# Altium PCB PCB_3U_DDS.PcbDoc (part 4 of 12)
Units mil, origin at the board's own origin, x right, y up, seen from the top; angles counter-clockwise.
Board outline 6338.37 x 3937 mil, 6 copper layers (L1, P2, L3, L4, P5, L6), stack 64.885 mil thick; 954 components, 537 nets, 3358 pads, 2342 vias.
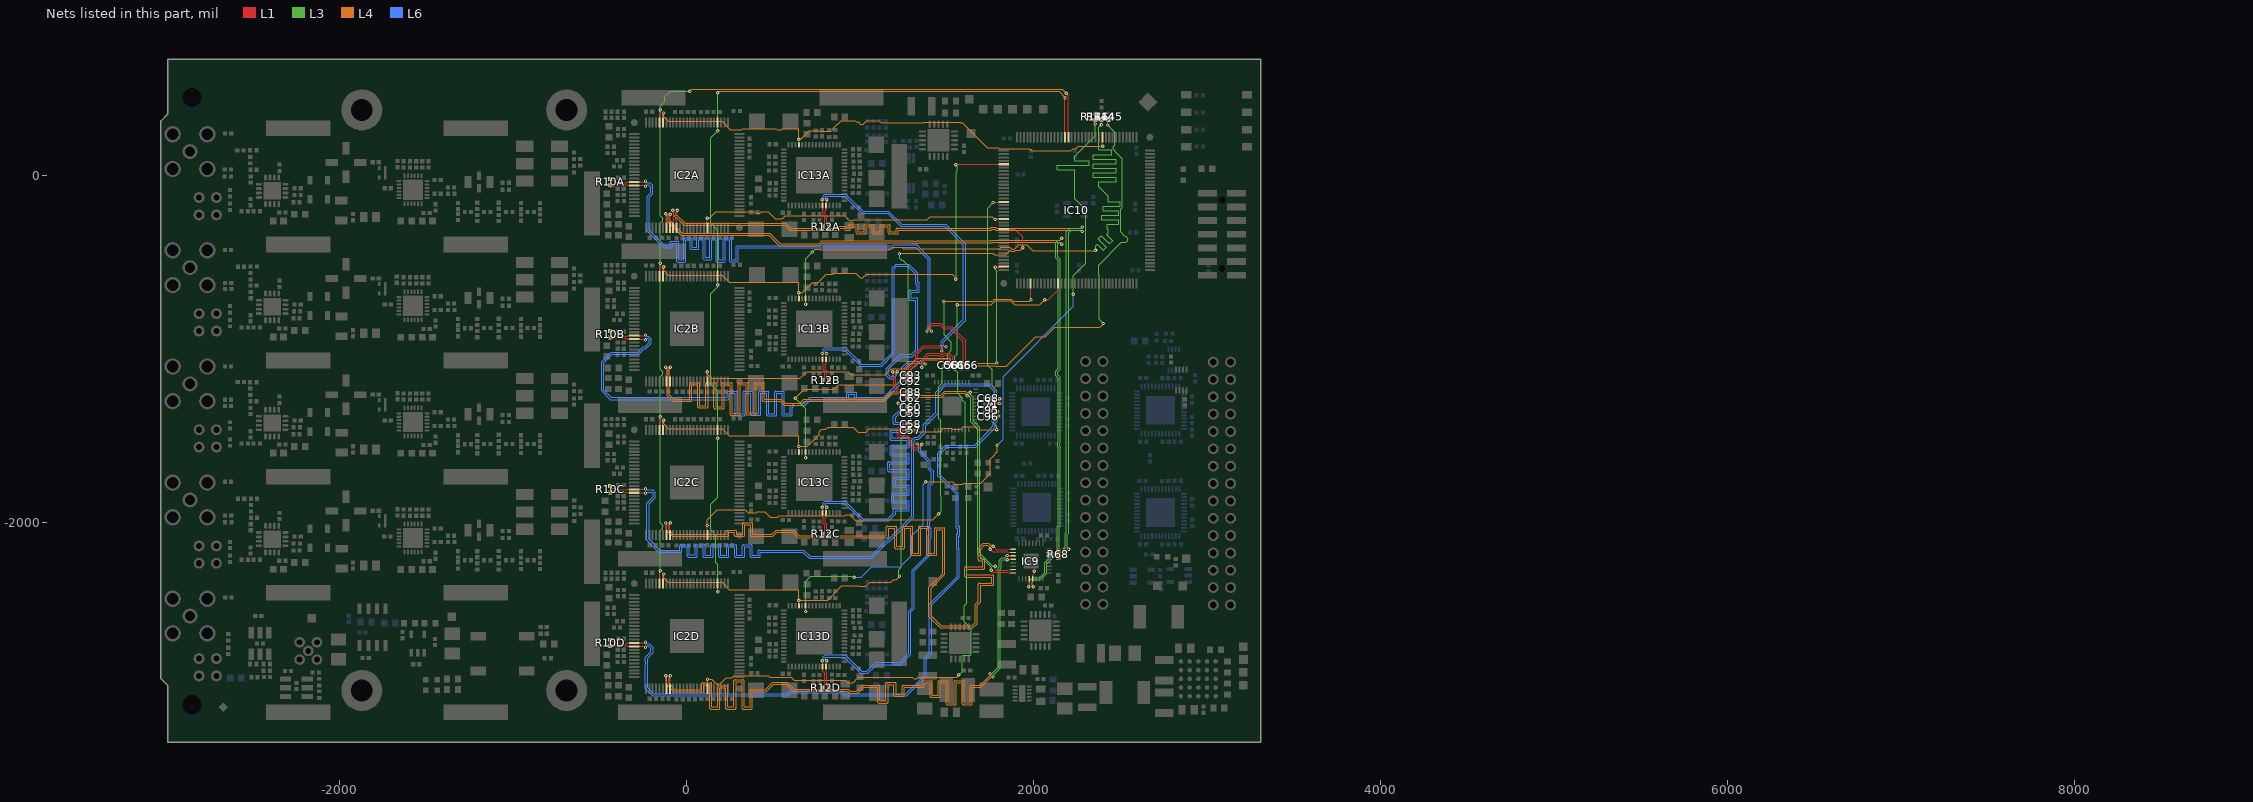
[diagram p8: the nets of this part, all layers, seen from the top]

## Via types
v1: diameter 19.68, hole 7.87, L1 to L6, tented both sides, 2254 vias
v2: diameter 23.62, hole 11.81, L1 to L6, tented both sides, 88 vias

## Nets (pads, with @x,y where several pads share a name; then routed paths per layer and width w, separated by ;. In a path a pad name is that pad's centre, name@x,y a point inside that pad or via, vN(x,y) a via of type N, cw(c..) or ccw(c..) an arc to the next point about the centre after c; other vN are vias at no path point) (continued)
DDR_RESET1: IC13B.59 R144.1 | length 4552.1
  L1 w5.98: v1(684.33,-743.89) 684.65,-743.57 IC13B.59@684.65,-710.63 ; v1(2390,291) R144.1@2390,318.5
  L3 w5.98: v1@684.33,-748.67 v1(684.33,-743.89) 684.33,-482.67 723,-444 v1(723,-443) ; v1(2356,-434) 2356,-407 2364.69,-398.31 2399.42,-433.04 2417.79,-414.66 2383.07,-379.93 2370.53,-367.39 2388.9,-349.02 2401.44,-361.56 2436.17,-396.29 2454.54,-377.92 2419.81,-343.19 2429,-334 2429,-308.9 2423.35,-308.9 2423.35,-282.91 2429,-282.91 2490.02,-282.91 2490.02,-256.93 2429,-256.93 2392.25,-256.93 2392.25,-230.95 2429,-230.95 2490.02,-230.95 2490.02,-204.96 2429,-204.96 2399.72,-204.96 2399.72,-178.98 2429,-178.98 2499.02,-178.98 2499.02,-152.99 2429,-152.99 2429,-140 2429,-121 2374,-66 2374,-62.87 2374,-36.88 2474,-36.88 2474,-10.9 2374,-10.9 2341.97,-10.9 2341.97,15.09 2374,15.09 2474,15.09 2474,41.07 2374,41.07 2341.97,41.07 2341.97,67.05 2374,67.05 2474,67.05 2474,93.04 2374,93.04 2341.97,93.04 2341.97,119.02 2374,119.02 2448.41,119.02 2448.41,145.01 2374,145.01 2374,158 2374,275 v1(2390,291)
  L4 w5.98: v1(723,-443) 739.27,-426.73 766.39,-426.73 768.65,-429 1162.73,-429 1165,-426.73 1176.27,-426.73 1188,-415 1239,-415 1248,-424 1763.03,-424 1763.86,-423.17 1792.16,-423.17 1792.99,-424 1804,-424 1812,-416 1861.15,-416 1872.53,-427.39 1887.31,-427.39 1913.14,-401.56 1960.56,-401.56 1994,-435 2356,-435 v1(2356,-434)
DDR_RESET2: IC13C.59 R145.1 | length 3725.4
  L1 w5.98: v1(684.33,-1629.72) 684.65,-1629.4 IC13C.59@684.65,-1596.46 ; v1(2426,289) R145.1@2426,318.5
  L3 w5.98: v1(625,-1286) 684.33,-1345.33 v1(684.33,-1629.72) ; v1(2400,-855) 2377,-832 2377,-577.52 2373.9,-574.42 2373.9,-519.1 2504.99,-388.01 2531.01,-388.01 2541.45,-377.57 2541.45,-362.79 2531.01,-352.35 2526.35,-352.35 2522.65,-348.65 2522.14,-348.65 2501,-327.51 2501,-197 2510,-188 2510,95 2467,138 2467,141.24 2458.15,150.09 2458.15,164.87 2467,173.72 2467,248 v1(2426,289)
  L4 w5.98: v1(625,-1286) 676,-1235 850,-1235 877,-1208 1210,-1208 1296.02,-1121.98 1296.02,-1115.44 1306.47,-1104.99 1313.01,-1104.99 1353,-1065 1501,-1065 1535,-1099 1778.11,-1099 1779.62,-1100.51 1842.49,-1100.51 2010,-933 2065,-933 2120,-878 2381,-878 2400,-859 v1(2400,-855)
DDR_RESET3: IC13D.59 R146.1 | length 4465.5
  L1 w5.98: v1(684.33,-2515.54) 684.65,-2515.23 IC13D.59@684.65,-2482.28 ; v1(2354,295) R146.1@2354,318.5
  L3 w5.98: v1@684.33,-2519.14 v1(684.33,-2515.54) 684.33,-2340.67 714,-2311 957,-2311 v1(965,-2319) ; v1(2228,-686) 2228,-580 2300,-508 2300,-200 2236,-136 2236,22 2236,32.04 2136,32.04 2136,58.02 2236,58.02 2320.99,58.02 2320.99,84.01 2236,84.01 2236,97 2236,110 2354,228 v1(2354,295)
  L4 w5.98: v1(1378,-1768) 1534,-1768 1548,-1782 1590.46,-1782 1596.46,-1776 1693,-1776 1748,-1721 1748,-1637 1773.5,-1611.5 1773.5,-1608.86 1783.95,-1598.41 1786.59,-1598.41 1788,-1597 v1(1788,-1556)
  L6 w5.98: v1(965,-2319) 1004,-2319 1066,-2257 1230,-2257 1296,-2191 1296,-2078 1363,-2011 1363,-1783 v1(1378,-1768) ; v1(1788,-1556) 1823,-1521 1823,-1362.15 1822.67,-1361.82 1822.67,-1161.33 2228,-756 v1(2228,-686)
DDS0_SYNC_IN_N: IC2A.8 IC9.4 | length 4636.3
  L1 w6: IC2A.8@-98.43,-303.15 -98.43,-262.75 -95.13,-259.45 -95.13,-227.59 -96.65,-226.07 -97.87,-224.84 v1(-95.43,-224.84) ; v1(1971.52,-2372.05) 1974.02,-2369.55 IC9.4@1974.02,-2326.77
  L3 w7: v1@1977.86,-2365.7 1977.86,-2337.55 1994.73,-2320.68 2033.07,-2320.68 2062.6,-2291.15 2062.6,-2235 2135.15,-2162.44 2135.15,-2026.08 2141.34,-2019.9 2141.34,-1570.59 2137.96,-1567.21 2137.96,-1541.26 2141.34,-1537.89 2141.34,-1172.39 2125.31,-1156.36 2125.31,-1130.41 2141.34,-1114.39 2141.34,-857.25 2139.66,-855.57 2139.66,-830.43 2141.34,-828.75 2141.34,-491.38 2125.51,-475.55 2125.51,-390.61 2140.54,-375.58 2149.61,-375.58 v1(2161.02,-364.17)
  L4 w7: v1(-95.43,-224.84) -102.27,-231.69 -102.27,-259.83 -27.27,-334.83 477.83,-334.83 537.43,-394.43 761.93,-394.43 778.14,-378.22 1305.92,-378.22 1307.36,-379.67 1322.56,-379.67 1324,-378.22 1751.86,-378.22 1755.49,-374.6 1812.44,-374.6 1812.97,-375.13 2150.06,-375.13 v1(2161.02,-364.17)
DDS0_SYNC_IN_P: IC2A.7 IC9.5 | length 4683.3
  L1 w6: v1(-121.6,-223.24) -120.27,-223.24 -120.13,-223.38 -120.13,-260.73 -118.11,-262.75 IC2A.7@-118.11,-303.15 ; v1(1996.2,-2372.05) 1993.7,-2369.55 IC9.5@1993.7,-2326.77 1993.7,-2306.96 2003.54,-2297.12 v1(2003.54,-2283.46)
  L3 w7: v1@1989.86,-2365.7 1989.86,-2342.52 1999.7,-2332.68 2038.04,-2332.68 2074.6,-2296.12 2074.6,-2239.97 2147.15,-2167.41 2147.15,-2031.05 2153.34,-2024.87 2153.34,-1565.62 2149.96,-1562.24 2149.96,-1546.23 2153.34,-1542.86 2153.34,-1167.42 2137.31,-1151.39 2137.31,-1135.38 2153.34,-1119.36 2153.34,-852.28 2151.66,-850.6 2151.66,-835.4 2153.34,-833.72 2153.34,-486.41 2137.51,-470.58 2137.51,-395.58 2145.51,-387.58 2150.51,-387.58 2160.11,-397.18 v1(2161.02,-397.18)
  L4 w7: v1(-121.6,-223.24) -114.27,-230.58 -114.27,-264.8 -32.24,-346.83 472.86,-346.83 532.46,-406.43 766.9,-406.43 777.56,-395.77 783.11,-390.22 1300.95,-390.22 1302.39,-391.67 1327.53,-391.67 1328.97,-390.22 1756.84,-390.22 1760.46,-386.6 1807.47,-386.6 1808,-387.13 2150.97,-387.13 v1(2161.02,-397.18)
DDS0_SYNC_OUT_N: IC2A.10 IC9.15 R68.1 | length 4794.9
  L1 w6: IC2A.10@-59.06,-303.15 -59.06,-262.75 -62.9,-258.91 -62.9,-220.56 -56.13,-213.79 v1@-56.13,-204.79 ; IC9.15@2086.22,-2175.2 2112.84,-2175.2 2116.69,-2179.04 2141.34,-2179.04 2170.87,-2179.04 2180.71,-2169.2 2180.71,-2161.85 v1(2174.37,-2155.51)
  L3 w7: v1(2174.37,-2155.51) 2181.38,-2148.5 2181.38,-2065.67 2188.3,-2058.74 2188.3,-850.64 2188.34,-850.6 2188.34,-835.4 2188.3,-835.36 2188.3,-327.62 2210.1,-305.83 2272.29,-305.83 v1(2279.13,-298.98)
  L4 w7: -62.64,-216.79 -62.64,-224.83 -10.16,-277.3 569.31,-277.3 597.83,-305.83 871.74,-305.83 883.1,-294.46 908.24,-294.46 919.6,-305.83 929.33,-305.83 929.7,-305.46 929.7,-291.83 cw(c935.7,-291.83) 935.7,-285.83 982.07,-285.83 cw(c982.07,-291.83) 988.07,-291.83 988.07,-325.83 1022.44,-325.83 1022.44,-291.83 cw(c1028.44,-291.83) 1028.44,-285.83 1074.81,-285.83 cw(c1074.81,-291.83) 1080.81,-291.83 1080.81,-325.83 1115.18,-325.83 1115.18,-291.83 cw(c1121.18,-291.83) 1121.18,-285.83 1167.55,-285.83 cw(c1167.55,-291.83) 1173.55,-291.83 1173.55,-325.83 1207.92,-325.83 1207.92,-311.83 cw(c1213.92,-311.83) 1213.92,-305.83 1749.79,-305.83 1755.15,-300.47 1780.28,-300.47 1785.64,-305.83 2272.29,-305.83 v1(2279.13,-298.98) ; -61.13,-216.79 -55.14,-210.8 v1(-55.14,-201.83)
DDS0_SYNC_OUT_P: IC2A.9 IC9.14 R68.2 | length 4819.8
  L1 w6: v1(-82.14,-201.83) -82.14,-211.77 -76.13,-217.79 ; IC2A.9@-78.74,-303.15 -78.74,-262.75 -74.9,-258.91 -74.9,-217.79 ; IC9.14@2086.22,-2194.88 2112.84,-2194.88 2116.69,-2191.04 2141.34,-2191.04 2175.84,-2191.04 2192.71,-2174.17 2192.71,-2165.35 2200.39,-2157.67 v1(2200.39,-2155.51)
  L3 w7: v1(2200.39,-2155.51) 2193.38,-2148.5 2193.38,-2070.64 2200.3,-2063.71 2200.3,-1567.53 2200.62,-1567.21 2200.62,-1541.26 2200.3,-1540.95 2200.3,-855.61 2200.34,-855.57 2200.34,-830.43 2200.3,-830.39 2200.3,-332.59 2215.07,-317.83 2272.29,-317.83 v1(2279.13,-324.67)
  L4 w7: v1(-82.14,-201.83) -82.14,-210.77 -74.64,-218.27 -74.64,-229.8 -15.14,-289.3 564.34,-289.3 592.86,-317.83 877.33,-317.83 877.33,-317.21 888.07,-306.46 903.27,-306.46 914.01,-317.21 914.01,-317.83 935.7,-317.83 ccw(c935.7,-311.83) 941.7,-311.83 941.7,-297.83 976.07,-297.83 976.07,-331.83 ccw(c982.07,-331.83) 982.07,-337.83 1028.44,-337.83 ccw(c1028.44,-331.83) 1034.44,-331.83 1034.44,-297.83 1068.81,-297.83 1068.81,-331.83 ccw(c1074.81,-331.83) 1074.81,-337.83 1121.18,-337.83 ccw(c1121.18,-331.83) 1127.18,-331.83 1127.18,-297.83 1161.55,-297.83 1161.55,-331.83 ccw(c1167.55,-331.83) 1167.55,-337.83 1213.92,-337.83 ccw(c1213.92,-331.83) 1219.92,-331.83 1219.92,-317.83 1754.76,-317.83 1760.12,-312.47 1775.31,-312.47 1780.67,-317.83 2272.29,-317.83 v1(2279.13,-324.67)
DDS1_SYNC_IN_N: IC2B.8 IC9.31 | length 4662.1
  L1 w6: IC2B.8@-98.43,-1188.98 -98.43,-1148.57 -102.27,-1144.73 -102.27,-1116.24 -94.6,-1108.58 v1(-94.6,-1106.24) ; v1(1777.16,-2253.93) 1777.16,-2273.62 1781.01,-2277.46 1851.03,-2277.46 1854.87,-2273.62 IC9.31@1881.5,-2273.62
  L3 w7: v1(1632.87,-1250.79) 1632.87,-1262.85 1635.22,-1265.19 1635.22,-1267.32 1649.91,-1282.01 1649.91,-1415.21 1688.58,-1453.88 1688.58,-2179.68 1762.84,-2253.93 v1(1777.16,-2253.93)
  L4 w7: v1(-94.6,-1106.24) -101.61,-1113.24 -101.61,-1240.61 -102,-1241.01 -102,-1266.21 -76.77,-1291.44 17.19,-1291.44 17.19,-1201.65 cw(c23.19,-1201.65) 23.19,-1195.65 69.56,-1195.65 cw(c69.56,-1201.65) 75.56,-1201.65 75.56,-1328.46 109.93,-1328.46 109.93,-1201.65 cw(c115.93,-1201.65) 115.93,-1195.65 162.3,-1195.65 cw(c162.3,-1201.65) 168.3,-1201.65 168.3,-1334.75 202.67,-1334.75 202.67,-1201.65 cw(c208.67,-1201.65) 208.67,-1195.65 255.04,-1195.65 cw(c255.04,-1201.65) 261.04,-1201.65 261.04,-1371.23 295.41,-1371.23 295.41,-1201.65 cw(c301.41,-1201.65) 301.41,-1195.65 347.78,-1195.65 cw(c347.78,-1201.65) 353.78,-1201.65 353.78,-1369.33 388.15,-1369.33 388.15,-1201.65 cw(c394.15,-1201.65) 394.15,-1195.65 440.52,-1195.65 cw(c440.52,-1201.65) 446.52,-1201.65 446.52,-1291.07 446.88,-1291.44 543.44,-1291.44 566,-1314 651,-1314 673.56,-1291.44 1136.05,-1291.44 1179.4,-1248.09 1260.73,-1248.09 1280.17,-1267.53 1319.44,-1267.53 1462.99,-1267.53 1485.93,-1244.58 1605.64,-1244.58 1615.5,-1254.44 1629.22,-1254.44 v1(1632.87,-1250.79)
DDS1_SYNC_IN_P: IC2B.7 IC9.32 | length 4670.9
  L1 w6: v1(-120.61,-1106.24) -114.27,-1112.58 -114.27,-1144.73 -118.11,-1148.57 IC2B.7@-118.11,-1188.98 ; v1(1754.35,-2276.75) 1754.84,-2276.75 1767.55,-2289.46 1851.03,-2289.46 1854.87,-2293.31 IC9.32@1881.5,-2293.31
  L3 w7: v1(1616.87,-1272.79) 1623.72,-1272.79 1637.91,-1286.98 1637.91,-1420.18 1676.58,-1458.85 1676.58,-2184.65 1741.83,-2249.9 1754.35,-2262.42 v1(1754.35,-2276.75)
  L4 w7: v1(-120.61,-1106.24) -113.61,-1113.24 -113.61,-1235.64 -114,-1236.04 -114,-1271.18 -113.61,-1271.58 -85.26,-1299.93 -81.74,-1303.44 23.19,-1303.44 ccw(c23.19,-1297.44) 29.19,-1297.44 29.19,-1207.65 63.56,-1207.65 63.56,-1334.46 ccw(c69.56,-1334.46) 69.56,-1340.46 115.93,-1340.46 ccw(c115.93,-1334.46) 121.93,-1334.46 121.93,-1207.65 156.3,-1207.65 156.3,-1340.75 ccw(c162.3,-1340.75) 162.3,-1346.75 208.67,-1346.75 ccw(c208.67,-1340.75) 214.67,-1340.75 214.67,-1207.65 249.04,-1207.65 249.04,-1377.23 ccw(c255.04,-1377.23) 255.04,-1383.23 301.41,-1383.23 ccw(c301.41,-1377.23) 307.41,-1377.23 307.41,-1207.65 341.78,-1207.65 341.78,-1375.33 ccw(c347.78,-1375.33) 347.78,-1381.33 394.15,-1381.33 ccw(c394.15,-1375.33) 400.15,-1375.33 400.15,-1207.65 434.52,-1207.65 434.52,-1297.44 ccw(c440.52,-1297.44) 440.52,-1303.44 538.47,-1303.44 561.03,-1326 655.97,-1326 678.53,-1303.44 1141.02,-1303.44 1144.54,-1299.93 1184.37,-1260.09 1255.76,-1260.09 1275.2,-1279.53 1324.41,-1279.53 1467.96,-1279.53 1490.9,-1256.58 1600.67,-1256.58 1610.53,-1266.44 1616.87,-1266.44 v1(1616.87,-1272.79)
DDS2_SYNC_IN_N: IC2C.8 IC9.25 | length 4632.9
  L1 w6: IC2C.8@-98.43,-2074.8 -98.43,-2007.06 v1(-95.6,-2004.24) ; v1@-96.44,-2003.41 -95.6,-2002.58 v1@-95.6,-1998.24 ; v1(1765.51,-2139.58) 1785.28,-2159.35 1851.03,-2159.35 1854.87,-2155.51 IC9.25@1881.5,-2155.51
  L4 w7: v1(-95.6,-2004.24) -95.6,-2006.18 -102.53,-2013.11 -102.53,-2045.83 -77.57,-2070.79 228.25,-2070.79 228.25,-2053.97 cw(c234.25,-2053.97) 234.25,-2047.97 280.62,-2047.97 cw(c280.62,-2053.97) 286.62,-2053.97 286.62,-2070.79 320.99,-2070.79 320.99,-2009.79 cw(c326.99,-2009.79) 326.99,-2003.79 373.36,-2003.79 cw(c373.36,-2009.79) 379.36,-2009.79 379.36,-2070.79 490.34,-2070.79 513.97,-2047.16 615.21,-2047.16 646.89,-2078.84 1150.81,-2078.84 1150.81,-2029.79 cw(c1156.81,-2029.79) 1156.81,-2023.79 1203.18,-2023.79 cw(c1203.18,-2029.79) 1209.18,-2029.79 1209.18,-2140.38 1243.56,-2140.38 1243.56,-2029.79 cw(c1249.56,-2029.79) 1249.56,-2023.79 1295.93,-2023.79 cw(c1295.93,-2029.79) 1301.93,-2029.79 1301.93,-2178.84 1336.3,-2178.84 1336.3,-2029.79 cw(c1342.3,-2029.79) 1342.3,-2023.79 1388.67,-2023.79 cw(c1388.67,-2029.79) 1394.67,-2029.79 1394.67,-2178.84 1429.04,-2178.84 1429.04,-2039.15 cw(c1435.04,-2039.15) 1435.04,-2033.15 1481.41,-2033.15 cw(c1481.41,-2039.15) 1487.41,-2039.15 1487.41,-2301.96 1407.48,-2381.89 1407.48,-2539.37 1466.54,-2598.43 1643.7,-2598.43 1661.23,-2580.9 1661.23,-2475.34 1664.74,-2471.83 1680.91,-2455.66 1680.91,-2357.18 cw(c1686.91,-2357.18) 1686.91,-2351.18 1757.1,-2351.18 1757.1,-2316.81 1608.71,-2316.81 cw(c1608.71,-2310.81) 1602.71,-2310.81 1602.71,-2264.44 cw(c1608.71,-2264.44) 1608.71,-2258.44 1705.56,-2258.44 1705.56,-2224.07 1686.91,-2224.07 cw(c1686.91,-2218.07) 1680.91,-2218.07 1680.91,-2150.54 1684.43,-2147.03 1705.47,-2125.98 1708.99,-2122.47 1739.43,-2122.47 1742.94,-2125.98 1756.54,-2139.58 v1(1765.51,-2139.58)
DDS2_SYNC_IN_P: IC2C.7 IC9.26 | length 4652.8
  L1 w6: v1(-120.6,-2005.24) -118.11,-2007.73 IC2C.7@-118.11,-2074.8 ; v1@-120.61,-1999.24 v1@-117.61,-2002.24 ; v1(1748.06,-2157.04) 1762.37,-2171.35 1851.03,-2171.35 1854.87,-2175.2 IC9.26@1881.5,-2175.2
  L4 w7: v1(-120.6,-2005.24) -114.53,-2011.31 -114.53,-2040.86 -114.53,-2050.8 -82.54,-2082.79 234.25,-2082.79 ccw(c234.25,-2076.79) 240.25,-2076.79 240.25,-2059.97 274.62,-2059.97 274.62,-2076.79 ccw(c280.62,-2076.79) 280.62,-2082.79 326.99,-2082.79 ccw(c326.99,-2076.79) 332.99,-2076.79 332.99,-2015.79 367.36,-2015.79 367.36,-2076.79 ccw(c373.36,-2076.79) 373.36,-2082.79 495.31,-2082.79 518.94,-2059.16 610.24,-2059.16 641.92,-2090.84 1156.81,-2090.84 ccw(c1156.81,-2084.84) 1162.81,-2084.84 1162.81,-2035.79 1197.18,-2035.79 1197.18,-2146.38 ccw(c1203.18,-2146.38) 1203.18,-2152.38 1249.56,-2152.38 ccw(c1249.56,-2146.38) 1255.56,-2146.38 1255.56,-2035.79 1289.93,-2035.79 1289.93,-2184.84 ccw(c1295.93,-2184.84) 1295.93,-2190.84 1342.3,-2190.84 ccw(c1342.3,-2184.84) 1348.3,-2184.84 1348.3,-2035.79 1382.67,-2035.79 1382.67,-2184.84 ccw(c1388.67,-2184.84) 1388.67,-2190.84 1435.04,-2190.84 ccw(c1435.04,-2184.84) 1441.04,-2184.84 1441.04,-2045.15 1475.41,-2045.15 1475.41,-2296.99 1395.48,-2376.92 1395.48,-2544.34 1461.56,-2610.43 1648.67,-2610.43 1652.19,-2606.91 1673.23,-2585.87 1673.23,-2480.32 1692.91,-2460.63 1692.91,-2363.18 1763.1,-2363.18 ccw(c1763.1,-2357.18) 1769.1,-2357.18 1769.1,-2310.81 ccw(c1763.1,-2310.81) 1763.1,-2304.81 1614.71,-2304.81 1614.71,-2270.44 1711.56,-2270.44 ccw(c1711.56,-2264.44) 1717.56,-2264.44 1717.56,-2218.07 ccw(c1711.56,-2218.07) 1711.56,-2212.07 1692.91,-2212.07 1692.91,-2155.51 1713.96,-2134.47 1734.46,-2134.47 1748.06,-2148.07 v1(1748.06,-2157.04)
DDS3_SYNC_IN_N: IC2D.8 IC9.27 | length 4635.6
  L1 w6: IC2D.8@-98.43,-2960.63 -98.43,-2920.23 -95.13,-2916.93 -95.13,-2889.1 -94.6,-2888.58 v1(-94.6,-2885.24) ; v1@1845.05,-2191.37 v1(1846.06,-2192.38) 1848.56,-2194.88 IC9.27@1881.5,-2194.88
  L3 w7: v1(1747.64,-2874.01) 1757.48,-2874.01 1794.69,-2836.8 1794.69,-2592.98 1794.92,-2592.75 1794.92,-2576.74 1794.69,-2576.52 1794.69,-2263.74 1801.18,-2257.25 1801.18,-2218.95 1815.9,-2204.24 1832.95,-2204.24 1844.81,-2192.38 v1(1846.06,-2192.38)
  L4 w7: v1(-94.6,-2885.24) -102.53,-2893.17 -102.53,-2932.83 -69.53,-2965.83 86.08,-2965.83 86.08,-2932.62 cw(c92.08,-2932.62) 92.08,-2926.62 138.45,-2926.62 cw(c138.45,-2932.62) 144.45,-2932.62 144.45,-3065.83 178.82,-3065.83 178.82,-2948.81 cw(c184.82,-2948.81) 184.82,-2942.81 231.19,-2942.81 cw(c231.19,-2948.81) 237.19,-2948.81 237.19,-3065.83 271.56,-3065.83 271.56,-2915.56 cw(c277.56,-2915.56) 277.56,-2909.56 323.93,-2909.56 cw(c323.93,-2915.56) 329.93,-2915.56 329.93,-3065.83 364.3,-3065.83 364.3,-2971.83 cw(c370.3,-2971.83) 370.3,-2965.83 452.31,-2965.83 495.41,-2922.73 576.96,-2922.73 618.49,-2964.25 930.44,-2964.25 941.38,-2975.2 979.63,-2975.2 1013.78,-2941.05 1107.39,-2941.05 cw(c1107.39,-2947.05) 1113.39,-2947.05 1113.39,-3031.21 1147.76,-3031.21 1147.76,-2930.67 cw(c1153.76,-2930.67) 1153.76,-2924.67 1200.13,-2924.67 cw(c1200.13,-2930.67) 1206.13,-2930.67 1206.13,-2992.98 1240.5,-2992.98 1240.5,-2947.05 cw(c1246.5,-2947.05) 1246.5,-2941.05 1355.77,-2941.05 1355.77,-2920.84 cw(c1361.77,-2920.84) 1361.77,-2914.84 1408.14,-2914.84 cw(c1408.14,-2920.84) 1414.14,-2920.84 1414.14,-2998.45 1448.51,-2998.45 1448.51,-2920.84 cw(c1454.51,-2920.84) 1454.51,-2914.84 1500.88,-2914.84 cw(c1500.88,-2920.84) 1506.88,-2920.84 1506.88,-3041.05 1541.25,-3041.05 1541.25,-2920.67 cw(c1547.25,-2920.67) 1547.25,-2914.67 1593.62,-2914.67 cw(c1593.62,-2920.67) 1599.62,-2920.67 1599.62,-3041.05 1633.99,-3041.05 1633.99,-2947.05 cw(c1639.99,-2947.05) 1639.99,-2941.05 1689.98,-2941.05 1747.64,-2883.39 v1(1747.64,-2874.01)
DDS3_SYNC_IN_P: IC2D.7 IC9.28 | length 4648.5
  L1 w6: v1(-120.61,-2885.24) -121.13,-2885.75 -121.13,-2917.21 -118.11,-2920.23 IC2D.7@-118.11,-2960.63 ; v1(1846.06,-2217.07) 1848.56,-2214.57 IC9.28@1881.5,-2214.57
  L3 w7: v1(1765.03,-2892.35) 1765.03,-2883.44 1806.92,-2841.55 1806.92,-2779.81 1806.69,-2779.59 1806.69,-2756.05 1806.92,-2755.83 1806.92,-2571.77 1806.69,-2571.55 1806.69,-2268.71 1813.18,-2262.22 1813.18,-2223.92 1820.87,-2216.24 1845.23,-2216.24 v1(1846.06,-2217.07)
  L4 w7: v1(-120.61,-2885.24) -114.53,-2891.32 -114.53,-2937.8 -74.5,-2977.83 92.08,-2977.83 ccw(c92.08,-2971.83) 98.08,-2971.83 98.08,-2938.62 132.45,-2938.62 132.45,-3071.83 ccw(c138.45,-3071.83) 138.45,-3077.83 184.82,-3077.83 ccw(c184.82,-3071.83) 190.82,-3071.83 190.82,-2954.81 225.19,-2954.81 225.19,-3071.83 ccw(c231.19,-3071.83) 231.19,-3077.83 277.56,-3077.83 ccw(c277.56,-3071.83) 283.56,-3071.83 283.56,-2921.56 317.93,-2921.56 317.93,-3071.83 ccw(c323.93,-3071.83) 323.93,-3077.83 370.3,-3077.83 ccw(c370.3,-3071.83) 376.3,-3071.83 376.3,-2977.83 457.28,-2977.83 500.38,-2934.73 571.99,-2934.73 613.52,-2976.25 925.47,-2976.25 936.41,-2987.2 984.6,-2987.2 1018.75,-2953.05 1101.39,-2953.05 1101.39,-3037.21 ccw(c1107.39,-3037.21) 1107.39,-3043.21 1153.76,-3043.21 ccw(c1153.76,-3037.21) 1159.76,-3037.21 1159.76,-2936.67 1194.13,-2936.67 1194.13,-2998.98 ccw(c1200.13,-2998.98) 1200.13,-3004.98 1246.5,-3004.98 ccw(c1246.5,-2998.98) 1252.5,-2998.98 1252.5,-2953.05 1361.77,-2953.05 ccw(c1361.77,-2947.05) 1367.77,-2947.05 1367.77,-2926.84 1402.14,-2926.84 1402.14,-3004.45 ccw(c1408.14,-3004.45) 1408.14,-3010.45 1454.51,-3010.45 ccw(c1454.51,-3004.45) 1460.51,-3004.45 1460.51,-2926.84 1494.88,-2926.84 1494.88,-3047.05 ccw(c1500.88,-3047.05) 1500.88,-3053.05 1547.25,-3053.05 ccw(c1547.25,-3047.05) 1553.25,-3047.05 1553.25,-2926.67 1587.62,-2926.67 1587.62,-3047.05 ccw(c1593.62,-3047.05) 1593.62,-3053.05 1639.99,-3053.05 ccw(c1639.99,-3047.05) 1645.99,-3047.05 1645.99,-2953.05 1694.95,-2953.05 1755.65,-2892.35 v1(1765.03,-2892.35)
DDS_CLKA0_N: C93.1 IC13A.28 R12A.2 | length 2151.6
  L1 w6: v1(805.76,-142.27) 805.76,-172.2 IC13A.28@802.76,-175.2 802.76,-200.29 799.43,-203.62 798.54,-203.62 798.54,-232.02 806.2,-239.67 806.2,-283.86 R12A.2@818.7,-296.36 ; C93.1@1273.62,-1153.25 1261.91,-1164.97 1247.86,-1164.97 1247.86,-1135.83 1263.86,-1119.83 1290.23,-1119.83 1330.86,-1079.2 1330.86,-1030.83 1366.86,-994.83 1460.91,-994.83 1463.87,-997.79 1468.51,-1002.48 v1(1468.51,-1013.58)
  L6 w6: v1(805.76,-142.27) 798.91,-135.43 798.91,-123.08 799.99,-122 869.59,-122 869.86,-121.73 884.64,-121.73 884.91,-122 910.28,-122 984.03,-195.75 984.03,-196.77 1002.09,-214.83 1003.11,-214.83 1007.89,-219.61 1157.36,-219.61 1233.32,-295.57 1486.51,-295.57 1594.49,-403.54 1594.49,-830.64 1470.03,-955.1 1466.51,-958.61 1466.51,-989.48 1470.03,-992.99 1474.36,-997.33 1468.51,-1003.17 v1(1468.51,-1013.58)
DDS_CLKA0_P: C92.1 IC13A.27 R12A.1 | length 2208.5
  L1 w6: R12A.1@781.69,-296.36 794.2,-283.86 794.2,-244.64 786.54,-236.99 786.54,-208.59 783.07,-205.11 IC13A.27@783.07,-175.2 v1@783.07,-145.27 ; C92.1@1273.62,-1188.69 1261.91,-1176.97 1242.89,-1176.97 1235.86,-1169.94 1235.86,-1130.86 1258.89,-1107.83 1285.26,-1107.83 1318.86,-1074.23 1318.86,-1025.86 1361.89,-982.83 1473.83,-982.83 ; 1475.87,-982.79 1477.87,-982.79 1482.87,-987.79
  L6 w6: v1(780.07,-142.27) 786.91,-135.43 786.91,-118.11 795.02,-110 864.62,-110 864.89,-109.73 889.61,-109.73 889.88,-110 915.25,-110 996.03,-190.78 996.03,-191.8 1007.06,-202.83 1008.08,-202.83 1012.86,-207.61 1162.33,-207.61 1238.29,-283.57 1491.48,-283.57 1606.49,-398.57 1606.49,-835.61 1478.51,-963.58 1478.51,-984.51 1482.84,-988.84 v1(1493.84,-988.84)
DDS_CLKA1_N: C88.1 IC13B.28 R12B.2 | length 2336.7
  L1 w6: v1(805.76,-1028.09) 802.76,-1031.09 IC13B.28@802.76,-1061.02 802.76,-1088.63 798.91,-1092.47 798.91,-1118.21 806.2,-1125.5 806.2,-1169.69 R12B.2@818.7,-1182.19 ; v1(1213.64,-1133.83) 1205.86,-1141.61 1205.86,-1151.32 1205.51,-1151.66 1205.51,-1216.82 1250.51,-1261.82 1261.91,-1261.82 C88.1@1273.62,-1250.1
  L6 w6: v1(805.76,-1028.09) 798.91,-1021.25 798.91,-1008.91 801.73,-1006.09 908.55,-1006.09 984.03,-1081.57 984.03,-1082.6 1002.09,-1100.65 1122.44,-1100.65 1195.51,-1027.58 1195.51,-539.58 1208.51,-526.58 1274.61,-526.58 1318.9,-570.87 1318.9,-623.08 ccw(c1324.9,-623.08) 1324.9,-629.08 1327.9,-629.08 1327.9,-662.45 1286.98,-662.45 ccw(c1286.98,-668.45) 1280.98,-668.45 1280.98,-713.82 ccw(c1286.98,-713.82) 1286.98,-719.82 1318.9,-719.82 1318.9,-1008.81 1294.24,-1033.46 ; v1@1205.86,-1135.83 1205.86,-1153.63 1189.59,-1169.9 1186.07,-1173.42 1166.29,-1173.42 1149.42,-1156.55 1149.42,-1114.71 1230.66,-1033.46 1294.24,-1033.46 ; 1294.29,-1033.42 1294.24,-1033.46
DDS_CLKA1_P: C62.1 IC13B.27 R12B.1 | length 2363.3
  L1 w6: v1(780.07,-1028.09) 783.07,-1031.09 IC13B.27@783.07,-1061.02 783.07,-1088.63 786.91,-1092.47 786.91,-1123.18 794.2,-1130.47 794.2,-1169.69 R12B.1@781.69,-1182.19 ; v1(1186.08,-1133.83) 1191.86,-1133.83 1193.86,-1135.83 1193.86,-1146.35 ; 1193.51,-1148.06 1193.51,-1221.79 1245.54,-1273.82 1261.91,-1273.82 C62.1@1273.62,-1285.54